# Altium PCB Goldstrike1_Rev01.PcbDoc (part 4 of 7) (continued)
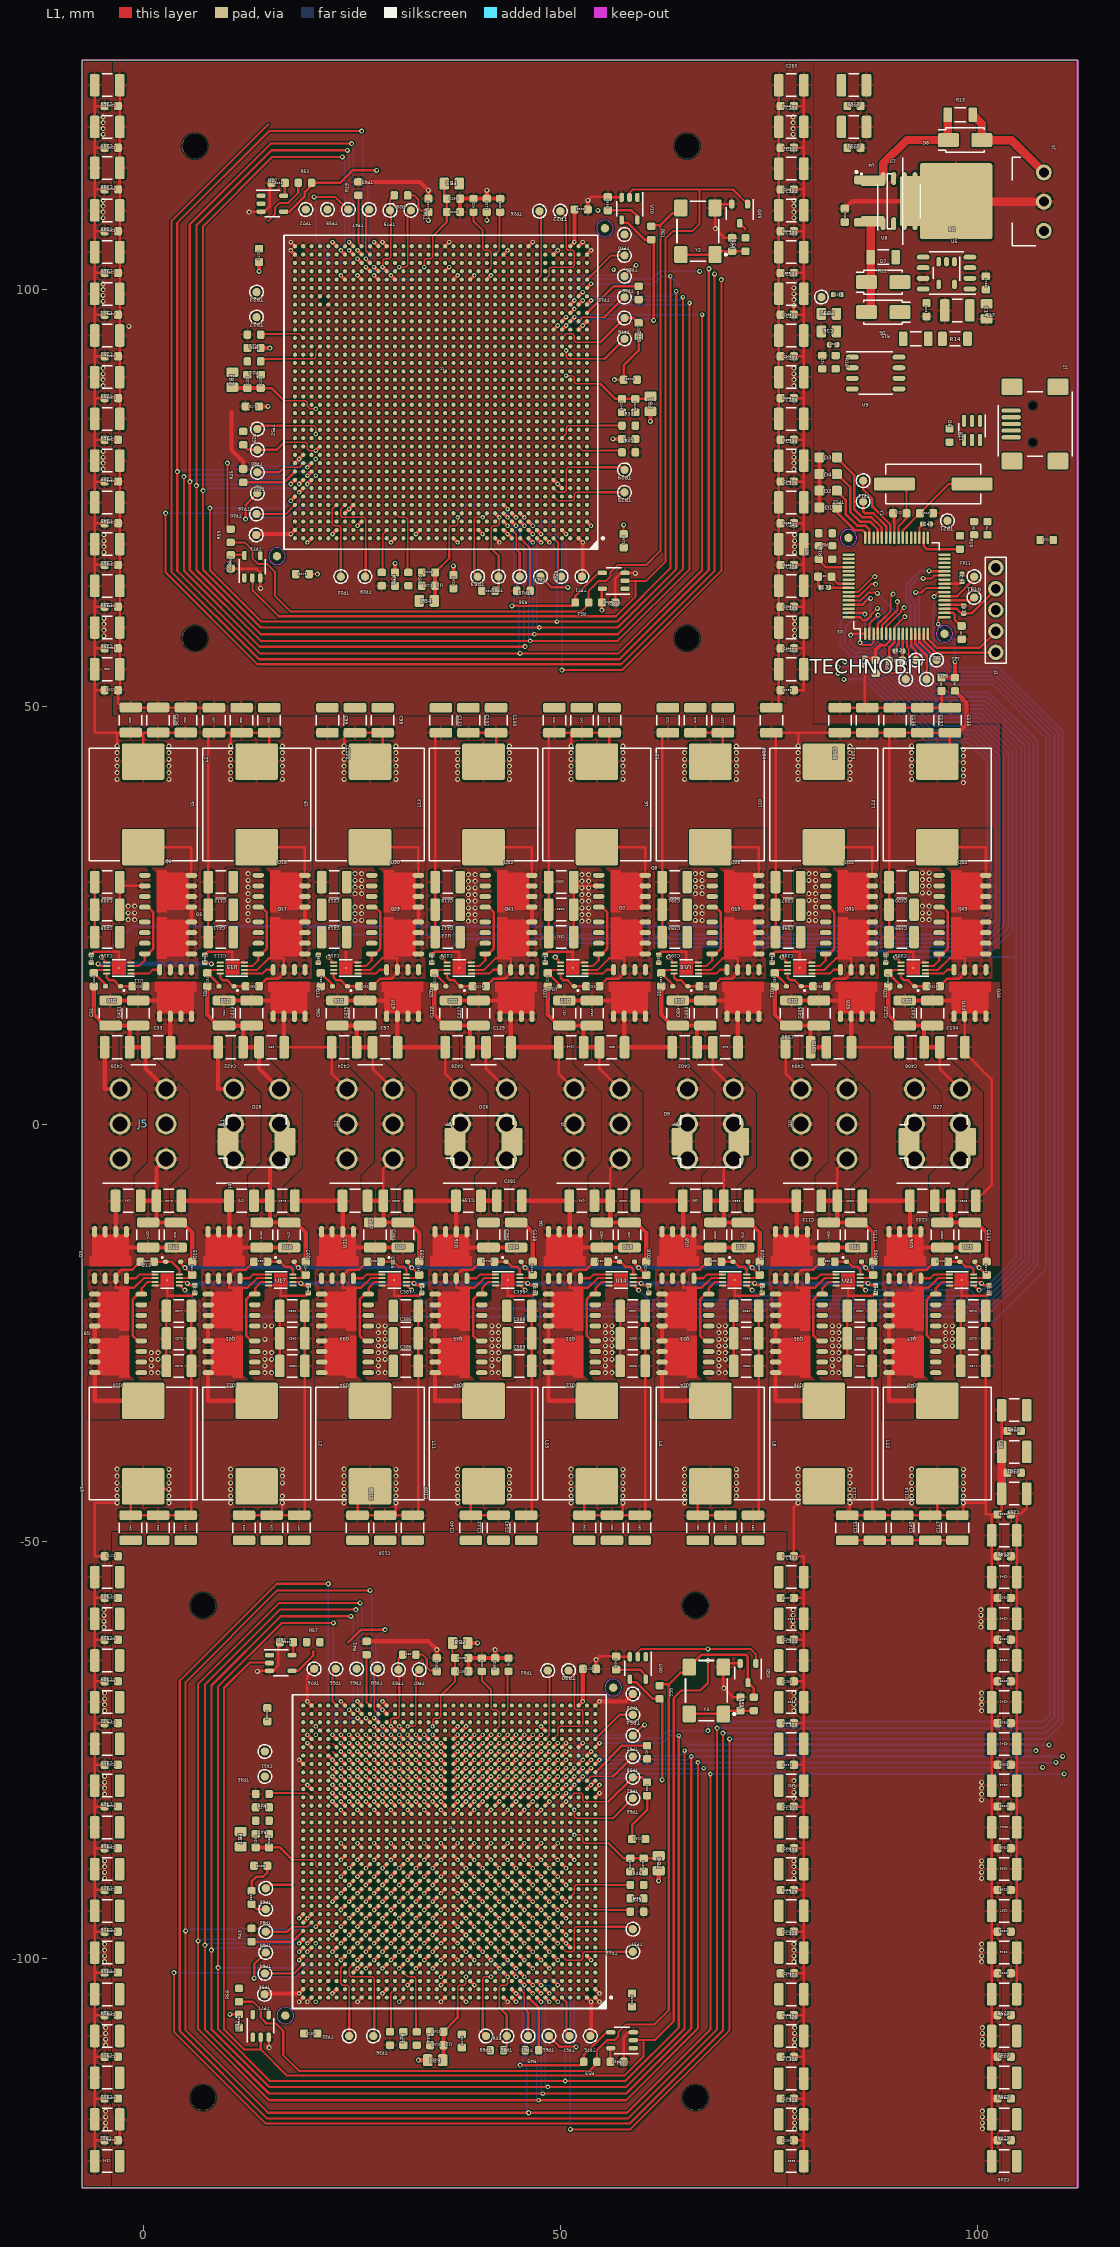
[diagram p0: L1 view]
## Nets (pads, with @x,y where several pads share a name; then routed paths per layer and width w, separated by ;. In a path a pad name is that pad's centre, name@x,y a point inside that pad or via, vN(x,y) a via of type N, cw(c..) or ccw(c..) an arc to the next point about the centre after c; other vN are vias at no path point) (continued)
  L1 w0.5: v1(33,-112.2) FB9.1@34.1,-112.2 ; FB8.1@38.9,-62.2 v1(40.1,-62.2) ; v1(60.8,84.2) FB1.1@60.8,85.4 ; v1(61.8,-90.7) FB6.1@61.8,-89.5 ; C135.2@96.7,46.9 97.7,46.9 98.7,47.9 98.7,50.5 R6.2@97.3,51.9
  L1 w1: C259.2@102.9,-44.3 102.9,-41.8 C261.2@102.9,-39.3
  other v1: -4.5,-120.4 78.1,-120.4 100.6,-120.4 -4.5,-119.7 78.1,-119.7 100.6,-119.7 -4.5,-119 78.1,-119 100.6,-119 -4.5,-118.3 78.1,-118.3 100.6,-118.3 -4.5,-110.4 78.1,-110.4 100.6,-110.4 -4.5,-109.7 78.1,-109.7 100.6,-109.7 -4.5,-109 78.1,-109 100.6,-109 -4.5,-108.3 78.1,-108.3 100.6,-108.3 -4.6,-100.4 78,-100.4 100.5,-100.4 -4.6,-99.7 78,-99.7 100.5,-99.7 -4.6,-99 78,-99 100.5,-99 -4.6,-98.3 78,-98.3 100.5,-98.3 -4.6,-90.4 78,-90.4 100.5,-90.4 -4.6,-89.7 78,-89.7 100.5,-89.7 -4.6,-89 78,-89 100.5,-89 -4.6,-88.3 78,-88.3 100.5,-88.3 100.5,-81 78,-80.8 -4.6,-80.3 100.5,-80.3 78,-80.1 -4.6,-79.6 100.5,-79.6 78,-79.4 -4.6,-78.9 100.5,-78.9 78,-78.7 -4.6,-78.2 -4.6,-70.3 78,-70.3 100.5,-70.3 -4.6,-69.6 78,-69.6 100.5,-69.6 -4.6,-68.9 78,-68.9 100.5,-68.9 -4.6,-68.2 78,-68.2 100.5,-68.2 -4.7,-60.3 77.9,-60.3 100.4,-60.3 -4.7,-59.6 77.9,-59.6 100.4,-59.6 -4.7,-58.9 77.9,-58.9 100.4,-58.9 -4.7,-58.2 77.9,-58.2 100.4,-58.2 3.1,-45.4 10.5,-45.4 24.1,-45.4 37.7,-45.4 51.3,-45.4 64.9,-45.4 92.1,-45.4 -3.1,-44.6 3.1,-44.6 10.5,-44.6 16.7,-44.6 24.1,-44.6 30.3,-44.6 37.7,-44.6 43.9,-44.6 51.3,-44.6 57.5,-44.6 64.9,-44.6 71.1,-44.6 78.5,-44.6 84.7,-44.6 92.1,-44.6 98.3,-44.6 -3.1,-43.8 10.5,-43.8 24.1,-43.8 30.3,-43.8 37.7,-43.8 43.9,-43.8 51.3,-43.8 57.5,-43.8 64.9,-43.8 71.1,-43.8 78.5,-43.8 84.7,-43.8 92.1,-43.8 98.3,-43.8 -3.1,-43 3.1,-43 10.5,-43 16.7,-43 24.1,-43 30.3,-43 37.7,-43 43.9,-43 51.3,-43 57.5,-43 64.9,-43 71.1,-43 78.5,-43 84.7,-43 92.1,-43 98.3,-43 -3.1,-42.2 3.1,-42.2 10.5,-42.2 16.7,-42.2 24.1,-42.2 30.3,-42.2 37.7,-42.2 43.9,-42.2 51.3,-42.2 57.5,-42.2 64.9,-42.2 71.1,-42.2 78.5,-42.2 84.7,-42.2 92.1,-42.2 98.3,-42.2 3.1,-41.4 16.7,-41.4 30.3,-41.4 43.9,-41.4 57.5,-41.4 71.1,-41.4 84.7,-41.4 98.3,-41.4 -3.1,-41.375 10.5,-41.375 24.1,-41.375 37.7,-41.375 51.3,-41.375 64.9,-41.375 78.5,-41.375 92.1,-41.375 98.3,40.9 -3.1,41.3 3.1,41.3 10.5,41.3 16.7,41.3 24.1,41.3 30.3,41.3 37.7,41.3 43.9,41.3 51.3,41.3 57.5,41.3 64.9,41.3 71.1,41.3 78.5,41.3 84.7,41.3 92.1,41.3 98.3,41.7 -3.1,42.1 3.1,42.1 10.5,42.1 16.7,42.1 24.1,42.1 30.3,42.1 37.7,42.1 43.9,42.1 51.3,42.1 57.5,42.1 64.9,42.1 71.1,42.1 78.5,42.1 84.7,42.1 92.1,42.1 98.3,42.5 -3.1,42.9 3.1,42.9 10.5,42.9 16.7,42.9 24.1,42.9 30.3,42.9 37.7,42.9 43.9,42.9 51.3,42.9 57.5,42.9 64.9,42.9 71.1,42.9 78.5,42.9 84.7,42.9 92.1,42.9 98.3,43.3 -3.1,43.7 3.1,43.7 10.5,43.7 16.7,43.7 24.1,43.7 30.3,43.7 37.7,43.7 43.9,43.7 51.3,43.7 57.5,43.7 64.9,43.7 71.1,43.7 78.5,43.7 84.7,43.7 92.1,43.7 98.3,44.1 -3.1,44.5 3.1,44.5 10.5,44.5 16.7,44.5 24.1,44.5 30.3,44.5 37.7,44.5 43.9,44.5 51.3,44.5 57.5,44.5 64.9,44.5 71.1,44.5 78.5,44.5 84.7,44.5 92.1,44.5 98.3,44.9 3.1,45.3 16.7,45.3 30.3,45.3 43.9,45.3 57.5,45.3 71.1,45.3 84.7,45.3 92.1,45.325 -4.7,58.5 78.1,58.5 -4.7,59.2 78.1,59.2 -4.7,59.9 78.1,59.9 -4.7,60.6 78.1,60.6 -4.7,68.5 78.1,68.5 -4.7,69.2 78.1,69.2 -4.7,69.9 78.1,69.9 -4.7,70.6 78.1,70.6 -4.8,78.5 78,78.5 -4.8,79.2 78,79.2 -4.8,79.9 78,79.9 -4.8,80.6 78,80.6 -4.8,88.5 78,88.5 -4.8,89.2 78,89.2 -4.8,89.9 78,89.9 -4.8,90.6 78,90.6 -4.8,98.6 78,98.8 -4.8,99.3 78,99.5 -4.8,100 78,100.2 -4.8,100.7 -4.8,108.6 78,108.6 -4.8,109.3 78,109.3 -4.8,110 78,110 -4.8,110.7 78,110.7 -4.8,118.6 77.9,118.6 -4.8,119.3 77.9,119.3 -4.8,120 77.9,120 -4.8,120.7 77.9,120.7
3.3V: C4.1 C6.1 C7.1 C8.1 C9.1 C13.2 C14.1 C26.1 C27.1 C56.1 C58.1 C59.1 C90.1 C91.1 C121.1 C122.1 C123.1 C164.2 C165.2 C166.2 C167.2 C168.2 C169.2 C170.2 C171.2 C172.2 C173.2 C174.2 C175.2 C177.2 C181.2 C182.2 C183.2 C347.1 C428.2 C429.2 C430.2 C431.2 C432.2 C433.2 C434.2 C435.2 C436.2 C437.2 J1.2 R9.2 R14.2 R21.1 R27.1 R28.1 R31.1 R32.1 R33.1 R50.1 R56.1 U1.A7 U1.A17 U1.A24 U1.A34 U1.AT3 U1.B4 U1.B14 U1.B21 U1.B31 U1.C1 U1.C11 U1.C28 U1.C32 U2.A7 U2.A17 U2.A24 U2.A34 U2.AL35 U2.AM22 U2.AM32 U2.AM34 U2.AT3 U2.F2 U2.G36 U2.H33 U3.10 U3.19 U3.26 U3.35 U3.38 U3.57 U5.5 U6.1 U10.5 U11.6 U12.6 U13.6 U14.6 U17.6 U18.6 U21.6 U22.6 U25.6 U26.6 U27.5 U28.5 U29.5 U30.5 U31.5 U33.5 Y2.1 Y2.4 Y3.1 Y3.4 | length 240.3
  L1 w0.2: C4.1@93.45,71.9 C4.1@93.5,71.9
  L1 w0.25: v1(-5.4,19.2) -5.288,19.112 -5.1,18.925 U11.6@-4.35,18.925 ; U13.6@4.35,-18.925 5.125,-18.925 v1(5.3,-19.1) ; C56.1@7.4,19.35 7.45,19.3 8.125,19.3 8.212,19.212 8.3,19.125 v1(8.2,19.2) ; U17.6@17.95,-18.925 18.725,-18.925 v1(18.9,-19.1) ; C175.2@19.9,65.9 v1(20.9,65.9) ; U21.6@31.55,-18.925 32.325,-18.925 v1(32.5,-19.1) ; R28.1@31.7,111.3 32.5,111.3 33,110.8 33,109.8 33.4,109.4 34.1,109.4 C170.2@34.2,109.3 v1(34.2,108.3) ; R32.1@32.7,-63.6 33.5,-63.6 34,-64.1 34,-65.1 34.4,-65.5 35.1,-65.5 C182.2@35.2,-65.6 ; v1(41.2,108.3) C173.2@41.2,109.3 ; U25.6@45.15,-18.925 45.925,-18.925 v1(46.1,-19.1) ; C168.2@57.6,70.7 v1(57.6,71.8) ; U14.6@58.75,-18.925 59.525,-18.925 v1(59.7,-19.1) ; U18.6@72.35,-18.925 73.125,-18.925 v1(73.3,-19.1) ; U22.6@85.95,-18.925 86.725,-18.925 v1(86.9,-19.1) ; U3.35@93.05,70.25 93.05,71.45 93.475,71.875 C4.1@93.5,71.9 ; U26.6@99.55,-18.925 100.325,-18.925 v1(100.5,-19.1)
  L1 w0.3: v1(5.3,-19.1) 5.55,-19.35 C26.1@6.2,-19.35 ; v1(10.4,-106.7) C436.2@11.5,-106.7 ; C432.2@10.5,68.2 12.15,68.2 U28.5@12.15,68.15 ; R33.1@13,-91.9 13,-90.8 13.6,-90.2 14.4,-90.2 14.9,-89.7 C183.2@14.9,-88.9 ; U27.5@16.85,111.25 17,111.25 C431.2@17,112.8 ; U31.5@17.85,-63.65 18,-63.65 C435.2@18,-62.1 ; v1(18.9,-19.1) 19.15,-19.35 C58.1@19.8,-19.35 ; v1(32.5,-19.1) 32.75,-19.35 C90.1@33.4,-19.35 ; v1(46.1,-19.1) 46.35,-19.35 C122.1@47,-19.35 ; v1(55,61.6) 55,64.1 U29.5@55.05,64.15 ; C430.2@55.7,109.5 58.55,109.5 59.25,108.8 U10.5@59.25,108.35 ; C437.2@56,-112.4 56,-110.8 U33.5@56.05,-110.75 ; v1(56.5,89.2) C169.2@57.6,89.2 57.6,90.9 59.4,92.7 R27.1@59.4,94.4 ; C434.2@56.7,-65.4 59.55,-65.4 60.25,-66.1 U30.5@60.25,-66.55 ; C181.2@58.6,-85.7 58.6,-84 60.4,-82.2 R31.1@60.4,-80.5 ; v1(59.7,-19.1) 59.95,-19.35 C27.1@60.6,-19.35 ; Y2.4@64.45,104.2 Y2.1@68.55,104.2 68.95,104.6 C428.2@70.6,104.6 R50.1@72.2,104.6 ; Y3.4@65.45,-70.7 Y3.1@69.55,-70.7 69.95,-70.3 R56.1@73.2,-70.3 ; v1(73.3,-19.1) 73.55,-19.35 C59.1@74.2,-19.35 ; C7.1@82.15,64.3 82.2,64.25 U3.57@84.55,64.25 ; v1(86.9,-19.1) 87.15,-19.35 C91.1@87.8,-19.35 ; R9.2@87.8,54 90.5,54 90.8,54.3 90.8,55.5 R21.1@91,55.5 91.05,55.5 C8.1@91.05,56.7 U3.10@91.05,58.75 ; U3.19@96.05,61.75 97.5,61.75 98,61.25 98.3,61.25 C6.1@98.35,61.2 99.3,61.2 102.2,64.1 J1.2@102.2,64.14 ; v1(100.5,-19.1) 100.75,-19.35 C123.1@101.4,-19.35
  L1 w0.45: v2(18.7,-99.2) U2.G36@19.2,-98.7 ; v2(19.7,-74.2) U2.AL35@20.2,-74.7 ; v2(19.7,69.7) U1.A34@20.2,70.2 ; v2(22.7,-73.2) U2.AM32@23.2,-73.7 ; v2(22.7,70.7) U1.B31@23.2,71.2 ; v2(25.7,71.7) U1.C28@26.2,72.2 ; v2(29.7,69.7) U1.A24@30.2,70.2 ; v2(30.7,-105.2) U2.A24@31.2,-104.7 ; v2(32.7,-73.2) U2.AM22@33.2,-73.7 ; v2(32.7,70.7) U1.B21@33.2,71.2 ; U1.A17@37.2,70.2 v2(37.7,69.7) ; U2.A17@38.2,-104.7 v2(38.7,-105.2) ; U1.B14@40.2,71.2 v2(40.7,70.7) ; U1.C11@43.2,72.2 v2(43.7,71.7) ; U1.A7@47.2,70.2 v2(47.7,69.7) ; U2.A7@48.2,-104.7 v2(48.7,-105.2) ; U1.B4@50.2,71.2 v2(50.7,70.7) ; U1.AT3@51.2,105.2 v2(51.7,105.7) ; U2.AT3@52.2,-69.7 v2(52.7,-69.2) ; U2.F2@53.2,-99.7 v2(53.7,-100.2) ; U1.C1@53.2,72.2 v2(53.7,71.7)
  L1 w0.5: C171.2@13.9,86 v1(15,86) ; v1(13.9,102.2) C174.2@13.9,103.3 ; C166.2@14.1,93 v1(15.2,93) ; C167.2@30.2,66.1 v1(30.2,67.2) ; C164.2@37.2,65.8 v1(37.2,66.9) ; v2(51.7,105.7) C165.2@51.7,109.6 ; v2(52.7,-69.2) C177.2@52.7,-65.3 ; v1(56.3,82.1) C172.2@57.4,82.1
  L4 w0.5: v1(-5.4,19.2) v1(8.2,19.2) ; v1(5.3,-19.1) v1(18.9,-19.1) v1(32.5,-19.1) v1(46.1,-19.1) v1(59.7,-19.1) v1(73.3,-19.1) v1(86.9,-19.1) v1(100.5,-19.1)
  other v1: 54.5,109.5
  other v2: 20.7,-105.2 20.7,-73.2 56.4,102.4
5.0V: C12.1 C20.2 C21.2 C22.2 C23.2 C52.2 C53.2 C54.2 C55.2 C84.2 C85.2 C86.2 C87.2 C116.2 C117.2 C118.2 C119.2 D5.2 D7.1 D10.2 D11.2 D12.2 D13.2 D14.2 D15.2 D16.2 D17.2 D18.2 D19.2 D20.2 D21.2 D22.2 D23.2 D24.2 D25.2 J3.1 R12.1 U4.1 U7.3 U8.3 U11.7 U12.7 U13.7 U14.7 U15.7 U16.7 U17.7 U18.7 U19.7 U20.7 U21.7 U22.7 U23.7 U24.7 U25.7 U26.7 | length 168.1
  L1 w0.25: C20.2@-5.9,18.1 -5.875,18.1 -5.5,18.475 U11.7@-4.35,18.475 ; U13.7@4.35,-18.475 5.425,-18.475 5.8,-18.1 C22.2@5.9,-18.1 ; C52.2@7.7,18.1 7.725,18.1 8.1,18.475 U15.7@9.25,18.475 ; U17.7@17.95,-18.475 19.025,-18.475 19.4,-18.1 C54.2@19.5,-18.1 ; U21.7@31.55,-18.475 32.625,-18.475 33,-18.1 C86.2@33.1,-18.1 ; C116.2@34.9,18.1 34.925,18.1 35.3,18.475 U23.7@36.45,18.475 ; U25.7@45.15,-18.475 46.225,-18.475 46.6,-18.1 C118.2@46.7,-18.1 ; C21.2@48.5,18.1 48.525,18.1 48.9,18.475 U12.7@50.05,18.475 ; U14.7@58.75,-18.475 59.825,-18.475 60.2,-18.1 C23.2@60.3,-18.1 ; C53.2@62.1,18.1 62.125,18.1 62.5,18.475 U16.7@63.65,18.475 ; U18.7@72.35,-18.475 73.425,-18.475 73.8,-18.1 C55.2@73.9,-18.1 ; C85.2@75.7,18.1 75.725,18.1 76.1,18.475 U20.7@77.25,18.475 ; U22.7@85.95,-18.475 87.025,-18.475 87.4,-18.1 C87.2@87.5,-18.1 ; C117.2@89.3,18.1 89.325,18.1 89.7,18.475 U24.7@90.85,18.475 ; U26.7@99.55,-18.475 100.625,-18.475 101,-18.1 C119.2@101.1,-18.1
  L1 w0.3: C20.2@-5.9,18.1 -4.4,16.6 D10.2@-4.4,16.5 ; D12.2@4.4,-16.5 4.4,-16.6 v1(5,-17.2) C22.2@5.9,-18.1 ; C52.2@7.7,18.1 9.2,16.6 D14.2@9.2,16.5 ; D16.2@18,-16.5 18,-16.6 v1(18.6,-17.2) C54.2@19.5,-18.1 ; C84.2@21.3,18.1 22.8,16.6 D18.2@22.8,16.5 ; D20.2@31.6,-16.5 31.6,-16.6 v1(32.2,-17.2) C86.2@33.1,-18.1 ; C116.2@34.9,18.1 36.4,16.6 D22.2@36.4,16.5 ; D24.2@45.2,-16.5 45.2,-16.6 v1(45.8,-17.2) C118.2@46.7,-18.1 ; C21.2@48.5,18.1 50,16.6 D11.2@50,16.5 ; D13.2@58.8,-16.5 58.8,-16.6 v1(59.4,-17.2) C23.2@60.3,-18.1 ; C53.2@62.1,18.1 63.6,16.6 D15.2@63.6,16.5 ; D17.2@72.4,-16.5 72.4,-16.6 v1(73,-17.2) C55.2@73.9,-18.1 ; C85.2@75.7,18.1 77.2,16.6 D19.2@77.2,16.5 ; D21.2@86,-16.5 86,-16.6 v1(86.6,-17.2) C87.2@87.5,-18.1 ; C117.2@89.3,18.1 90.8,16.6 D23.2@90.8,16.5 ; D25.2@99.6,-16.5 99.6,-16.6 v1(100.2,-17.2) C119.2@101.1,-18.1
  L1 w1: D5.2@86.7,97.3 87.2,97.3 D7.1@87.2,100.9 ; D7.1@86.7,100.9 D7.1@87.2,100.9 ; U7.3@87.1,108.06 87.2,107.96 R12.1@87.2,103.9 87.2,102.1 D7.1@87.2,100.9
  L4 w0.5: v1(5,-17.2) v1(18.6,-17.2) v1(32.2,-17.2) v1(45.8,-17.2) v1(59.4,-17.2) v1(73,-17.2) v1(86.6,-17.2) v1(100.2,-17.2)
12V: C32.2 C33.2 C37.2 C38.2 C42.2 C43.2 C47.2 C48.2 C64.2 C65.2 C69.2 C70.2 C74.2 C75.2 C79.2 C80.2 C96.2 C97.2 C101.2 C102.2 C106.2 C107.2 C111.2 C112.2 C128.2 C129.2 C133.2 C134.2 C138.2 C139.2 C143.2 C144.2 C348.2 C349.2 C353.2 C354.2 C358.2 C359.2 C363.2 C364.2 C368.2 C369.2 C373.2 C374.2 C378.2 C379.2 C383.2 C384.2 C391.2 C392.2 C402.2 C403.2 C404.2 C405.2 C406.2 C407.2 C420.2 C421.2 C422.2 C423.2 C424.2 C425.2 C426.2 C427.2 D8.2 D9.1 D26.1 D27.1 D28.1 J3.3 J4.1 J4.2 J4.3 J5.1 J5.2 J5.3 J6.1 J6.2 J6.3 J7.1 J7.2 J7.3 J8.1 J8.2 J8.3 J10.1 J10.2 J10.3 J11.1 J11.2 J11.3 J12.1 J12.2 J12.3 Q1.5 Q1.6 Q1.7 Q1.8 Q2.5 Q2.6 Q2.7 Q2.8 Q3.5 Q3.6 Q3.7 Q3.8 Q4.5 Q4.6 Q4.7 Q4.8 Q13.5 Q13.6 Q13.7 Q13.8 Q14.5 Q14.6 Q14.7 Q14.8 Q15.5 Q15.6 Q15.7 Q15.8 Q16.5 Q16.6 Q16.7 Q16.8 Q25.5 Q25.6 Q25.7 Q25.8 Q26.5 Q26.6 Q26.7 Q26.8 Q27.5 Q27.6 Q27.7 Q27.8 Q28.5 Q28.6 Q28.7 Q28.8 Q37.5 Q37.6 Q37.7 Q37.8 Q38.5 Q38.6 Q38.7 Q38.8 Q39.5 Q39.6 Q39.7 Q39.8 Q40.5 Q40.6 Q40.7 Q40.8 R4.1 R13.2 | length 349
  L1 w0.3: D28.1@10.2,-2.1 10.85,-2.75 J4.1@10.85,-4.219 ; C65.2@16.865,9.235 16.865,9.2 C65.2@16.9,9.2 C424.2@22.6,9.2 22.6,6.05 J11.3@24.45,4.2 ; C97.2@30.465,9.235 C97.2@30.5,9.2 ; C426.2@36.2,9.2 36.2,6.05 J12.3@38.05,4.2 ; D26.1@37.4,-2.1 38.05,-2.75 J12.1@38.05,-4.2 ; C129.2@44.065,9.235 C129.2@44.1,9.2 ; C348.2@49.8,9.2 49.8,6.05 J6.3@51.65,4.2 ; C38.2@57.665,9.235 C38.2@57.7,9.2 ; D9.1@64.6,-2.1 65.25,-2.75 J7.1@65.25,-4.2 ; C70.2@71.265,9.235 C70.2@71.3,9.2 ; C404.2@77,9.2 77,6.05 J8.3@78.85,4.2 ; C102.2@84.9,9.2 C406.2@90.6,9.2 ; D27.1@91.8,-2.1 92.45,-2.75 J10.1@92.45,-4.2 ; C134.2@98.465,8.535 C134.2@98.5,8.5 ; C134.2@98.465,9.1 Q38.6@98.465,12.9 ; C134.2@98.5,9.2 C134.2@98.5,8.5 ; C368.2@99.8,-9.2 101.7,-7.3 101.7,5.3 C134.2@98.5,8.5
  L1 w0.5: C420.2@-4.6,9.2 -4.6,4.2 J5.3@-2.75,4.2 ; C32.2@-3.9,14.8 C421.2@-0.6,14.8 1.995,14.8 Q1.5@1.995,12.9 ; C43.2@-3.3,-9.2 -3.265,-9.235 Q3.6@-3.265,-12.9 -3.265,-14.8 C42.2@3.9,-14.8 ; Q1.6@3.265,12.9 3.265,9.235 C33.2@3.3,9.2 C422.2@9,9.2 9,4.181 J4.3@10.85,4.181 ; C373.2@4.6,-9.2 10.084,-9.2 C75.2@10.335,-9.451 ; C64.2@9.7,14.8 C423.2@13,14.8 15.595,14.8 Q13.5@15.595,12.9 ; C75.2@10.3,-9.2 C75.2@10.335,-9.451 ; C65.2@16.865,9.235 Q13.6@16.865,12.9 ; C74.2@17.5,-14.8 10.335,-14.8 Q15.6@10.335,-12.9 C75.2@10.335,-9.451 ; C378.2@18.2,-9.2 C107.2@23.9,-9.2 23.935,-9.235 Q27.6@23.935,-12.9 23.935,-14.8 C106.2@31.1,-14.8 ; C96.2@23.3,14.8 C425.2@26.6,14.8 29.195,14.8 Q25.5@29.195,12.9 ; C97.2@30.465,9.235 Q25.6@30.465,12.9 ; C97.2@30.5,9.2 C426.2@36.2,9.2 ; C383.2@31.8,-9.2 C139.2@37.5,-9.2 37.535,-9.235 Q39.6@37.535,-12.9 37.535,-14.8 C138.2@44.7,-14.8 ; C128.2@36.9,14.8 C427.2@40.2,14.8 42.795,14.8 Q37.5@42.795,12.9 ; C129.2@44.065,9.235 Q37.6@44.065,12.9 ; C129.2@44.1,9.2 C348.2@49.8,9.2 ; C391.2@45.4,-9.2 C48.2@51.1,-9.2 51.135,-9.235 Q4.6@51.135,-12.9 51.135,-14.8 C47.2@58.3,-14.8 ; C37.2@50.5,14.8 C349.2@53.8,14.8 56.395,14.8 Q2.5@56.395,12.9 ; C38.2@57.665,9.235 Q2.6@57.665,12.9 ; C38.2@57.7,9.2 C402.2@63.4,9.2 ; C353.2@59,-9.2 C80.2@64.7,-9.2 64.735,-9.235 Q16.6@64.735,-12.9 64.735,-14.8 C79.2@71.9,-14.8 ; C69.2@64.1,14.8 C403.2@67.4,14.8 69.995,14.8 Q14.5@69.995,12.9 ; C70.2@71.265,9.235 Q14.6@71.265,12.9 ; C358.2@72.6,-9.2 78.019,-9.2 C112.2@78.335,-9.516 ; C101.2@77.7,14.8 C405.2@81,14.8 83.595,14.8 Q26.5@83.595,12.9 ; C112.2@78.3,-9.2 C112.2@78.335,-9.516 ; C112.2@78.335,-9.235 C112.2@78.335,-9.516 ; C102.2@84.865,9.235 Q26.6@84.865,12.9 ; C111.2@85.5,-14.8 78.335,-14.8 Q28.6@78.335,-12.9 C112.2@78.335,-9.516 ; C363.2@86.2,-9.2 C144.2@91.9,-9.2 91.935,-9.235 Q40.6@91.935,-12.9 91.935,-14.8 C143.2@99.1,-14.8 ; C133.2@91.3,14.8 C407.2@94.6,14.8 97.195,14.8 Q38.5@97.195,12.9 ; C134.2@98.465,8.535 C134.2@98.465,9.1
  L1 w1: R13.2@99.443,120.966 100.5,119.909 100.5,117.954 D8.2@100.524,117.93 100.554,117.9 104.104,117.9 J3.3@107.96,114.044
$1I69\$1N3656: TP30.1 U2.AM6 | length 12.2
  L1 w0.15: U2.AM6@49.2,-73.7 49.7,-73.2 49.7,-72.4 49.9,-72.2 52.5,-72.2 52.7,-72 52.7,-70.4 52.5,-70.2 51.9,-70.2 51.7,-70 51.7,-68.5
  L1 w0.25: TP30.1@51,-65.5 51.7,-66.2 51.7,-68.5
$1I69\$1N3657: TP34.1 U2.AM7 | length 8.5
  L1 w0.15: U2.AM7@48.2,-73.7 48.7,-73.2 48.7,-68.4
  L1 w0.25: TP34.1@48.5,-65.5 48.7,-65.7 48.7,-68.4
$1I69\$1N3658: TP31.1 U2.AL32 | length 0.7
  L1 w0.15: 22.7,-74.2 U2.AL32@23.2,-74.7
$1I69\$1N3659: TP35.1 U2.AK32 | length 0.7
  L1 w0.15: 22.7,-75.2 U2.AK32@23.2,-75.7
$1I69\$1N3660: TP32.1 U2.E31 | length 9.6
  L1 w0.15: U2.E31@24.2,-100.7 23.7,-101.2 23.7,-103 23.9,-103.2 24.5,-103.2 24.7,-103.4 24.7,-105.9
  L1 w0.3: TP32.1@24.7,-109.3 24.7,-105.9
$1I69\$1N3661: TP36.1 U2.E30 | length 11.6
  L1 w0.15: U2.E30@25.2,-100.7 24.7,-101.2 24.7,-102 24.9,-102.2 27.5,-102.2 27.7,-102.4 27.7,-106
  L1 w0.3: TP36.1@27.6,-109.3 27.7,-109.2 27.7,-106
$1I69\$1N3662: TP33.1 U2.F5 | length 9.5
  L1 w0.15: U2.F5@50.2,-99.7 50.7,-100.2 52.5,-100.2 52.7,-100 52.7,-99.4 52.9,-99.2 55.5,-99.2
  L1 w0.3: 55.5,-99.2 TP33.1@58.7,-99.2
$1I69\$1N3663: TP37.1 U2.G5 | length 11.6
  L1 w0.15: U2.G5@50.2,-98.7 50.7,-99.2 51.5,-99.2 51.7,-99 51.7,-96.4 51.9,-96.2 55.5,-96.2
  L1 w0.3: 55.5,-96.2 58.4,-96.2 TP37.1@58.7,-96.5
$1I69\$1N3664: TP54.1 U2.AM1 | length 5.7
  L1 w0.25: U2.AM1@54.2,-73.7 57.1,-70.8 TP54.1@58.7,-70.8
$1I69\$1N3665: TP58.1 U2.AG2 | length 6.7
  L1 w0.15: U2.AG2@53.2,-78.7 53.7,-78.2 56.3,-78.2
  L1 w0.3: 56.3,-78.2 TP58.1@58.7,-75.8
$1I69\$1N3666: TP66.1 U2.AG4 | length 14
  L1 w0.15: v2(51.7,-82.2) 51.7,-83 51.9,-83.2 56.3,-83.2
  L1 w0.3: 56.3,-83.2 TP66.1@58.7,-80.8
  L1 w0.45: U2.AG4@51.2,-78.7 v2(51.7,-78.2)
  L4 w0.15: v2(51.7,-82.2) 51.2,-81.7 51.2,-78.7 v2(51.7,-78.2)
$1I69\$1N3667: TP62.1 U2.AH3 | length 14.8
  L1 w0.3: TP62.1@58.7,-73.3 60,-72 v1(60.1,-72)
  L1 w0.45: U2.AH3@52.2,-77.7 v2(52.7,-77.2)
  L4 w0.15: v2(52.7,-77.2) 52.2,-76.7 52.2,-73.9 52.6,-73.5 53.7,-73.5 54,-73.2 58.9,-73.2 v1(60.1,-72)
$1I69\$1N3668: TP55.1 U2.AT32 | length 4.8
  L1 w0.25: TP55.1@23.1,-65.3 22.7,-65.637 22.7,-69.2 U2.AT32@23.2,-69.7
$1I69\$1N3669: TP59.1 U2.AR27 | length 5.8
  L1 w0.15: 27.7,-68.4 27.7,-70.2 U2.AR27@28.2,-70.7
  L1 w0.25: 27.7,-68.4 27.7,-65.637 TP59.1@28.1,-65.3
$1I69\$1N3670: TP67.1 U2.AN27 | length 13
  L1 w0.15: v2(31.7,-72.2) 32.5,-72.2 32.7,-72 32.7,-68.5
  L1 w0.25: 32.7,-68.5 32.7,-65.8 TP67.1@33.1,-65.4
  L1 w0.45: v2(27.7,-72.2) U2.AN27@28.2,-72.7
  L4 w0.15: v2(27.7,-72.2) 28.2,-72.7 31.2,-72.7 v2(31.7,-72.2)
$1I69\$1N3671: TP63.1 U2.AP28 | length 5.9
  L1 w0.45: v2(26.7,-71.2) U2.AP28@27.2,-71.7
  L4 w0.15: 23,-70.2 23,-71.3 23.4,-71.7 26.2,-71.7 v2(26.7,-71.2)
$1I69\$1N3672: TP56.1 U2.E36 | length 5.1
  L1 w0.25: TP56.1@14.6,-101.8 18.1,-101.8 U2.E36@19.2,-100.7
$1I69\$1N3673: TP60.1 U2.K35 | length 6
  L1 w0.15: 17.9,-96.2 19.7,-96.2 U2.K35@20.2,-95.7
  L1 w0.3: TP60.1@14.7,-96.8 17.3,-96.8 17.9,-96.2
$1I69\$1N3674: TP68.1 U2.K33 | length 3.4
  L1 w0.3: TP68.1@14.7,-91.6 15.1,-91.2 17.9,-91.2
$1I69\$1N3675: TP64.1 U2.J34 | length 11.8
  L1 w0.3: v1(13.3,-102.4) 13.3,-100.7 TP64.1@14.7,-99.3
  L4 w0.15: v1(13.3,-102.4) 13.5,-102.2 18.4,-102.2 19.7,-100.9 20.8,-100.9
$1I69\$1N3676: TP57.1 U2.A5 | length 5.1
  L1 w0.25: U2.A5@50.2,-104.7 50.75,-105.25 50.75,-109.15 TP57.1@51.1,-109.3
$1I69\$1N3677: TP61.1 U2.B10 | length 6
  L1 w0.15: U2.B10@45.2,-103.7 45.7,-104.2 45.7,-106
  L1 w0.3: 45.7,-106 46.141,-106.441 TP61.1@46.141,-109.296
$1I69\$1N3678: TP69.1 U2.D10 | length 13.3
  L1 w0.15: 40.7,-105.9 40.7,-102.4 40.9,-102.2 v2(41.7,-102.2)
  L1 w0.3: 40.7,-105.9 40.7,-108.9 TP69.1@41.1,-109.3
  L1 w0.45: U2.D10@45.2,-101.7 v2(45.7,-102.2)
  L4 w0.15: v2(41.7,-102.2) 42.2,-101.7 45.2,-101.7 v2(45.7,-102.2)
$1I69\$1N3679: TP65.1 U2.C9 | length 16.7
  L1 w0.3: TP65.1@48.641,-109.296 49.9,-110.556 49.9,-110.6 v1(51.9,-110.6)
  L1 w0.45: U2.C9@46.2,-102.7 v2(46.7,-103.2)
  L4 w0.15: v2(46.7,-103.2) 47.2,-102.7 50,-102.7 50.4,-103.1 50.4,-104.2 51.7,-105.5 51.7,-110.4 v1(51.9,-110.6)